# Altium PCB PCB_Motors.PcbDoc (continued)
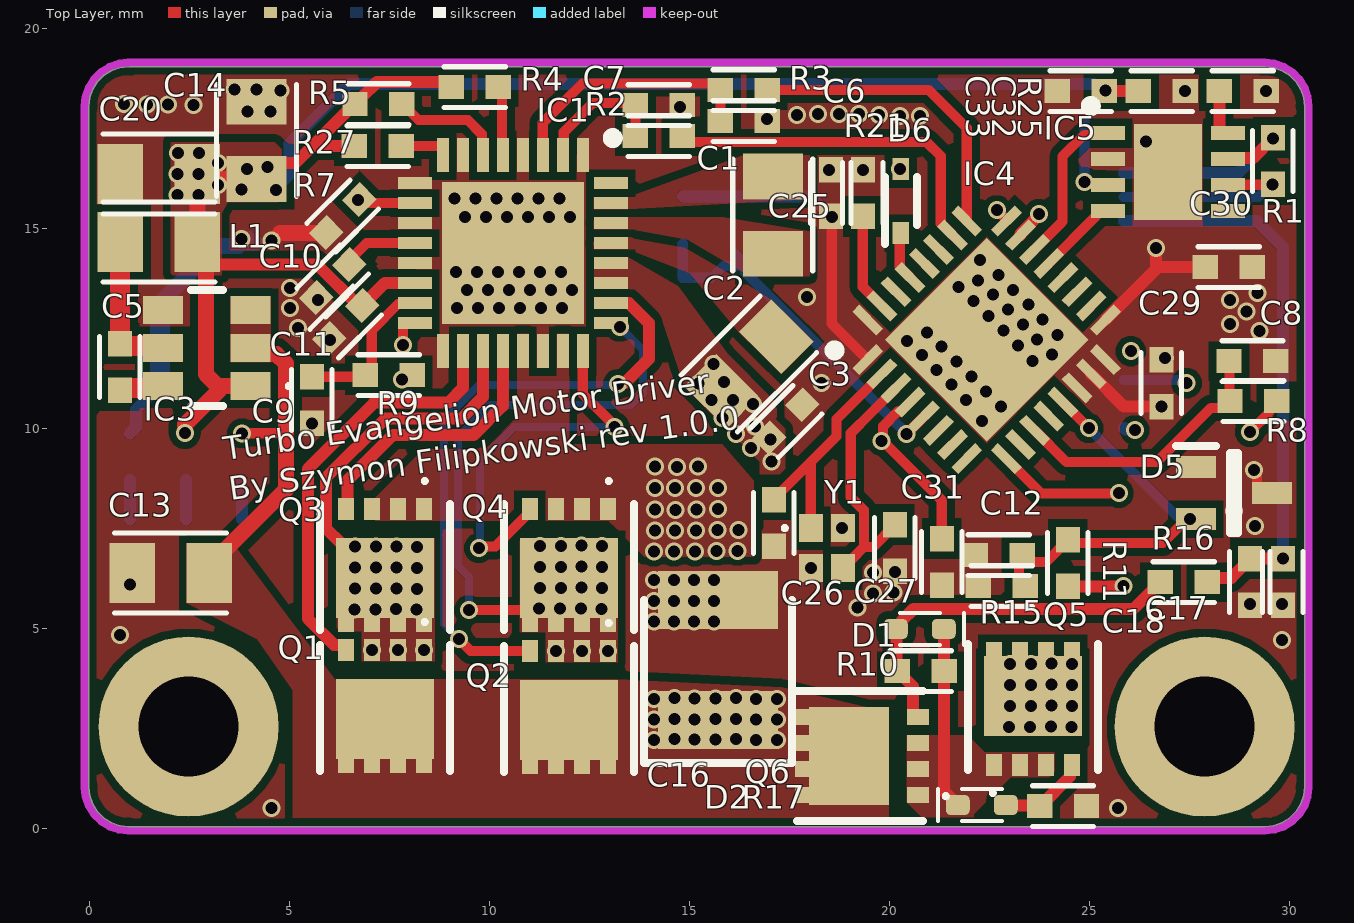
[diagram p0: Top Layer view]
## Nets (pads, with @x,y where several pads share a name; then routed paths per layer and width w, separated by ;. In a path a pad name is that pad's centre, name@x,y a point inside that pad or via, vN(x,y) a via of type N, cw(c..) or ccw(c..) an arc to the next point about the centre after c; other vN are vias at no path point) (continued)
5v: C11.1 C14.1 C20.1 C32.1 C33.1 IC1.14 IC2.2 IC2.4 IC3.1 IC5.3 L1.1 R4.1 R5.1 R13.2 R27.1 | length 49.9
  Top Layer w0.254: v1(24.867,16.155) 24.905,16.118 25.407,16.118 IC5.3
  Top Layer w0.3: L1.1@2.902,14.438 2.902,14.294 3.112,14.085 5.689,14.085 6.711,13.063 C11.1 7.375,13.625 IC1.14 ; C14.1 4.566,16.622 5.137,16.622 R5.1@6.464,17.95 ; 5.607,17.05 R27.1@6.598,17.05 ; R5.1@6.485,17.971 6.614,18.1 R5.1 6.649,18.1 6.799,18.25 6.799,18.267 7.182,18.65 8.916,18.65 R4.1 ; v1(25.389,18.434) 25.368,18.434 C33.1 C32.1 C32.1@26.241,18.425
  Top Layer w0.4: v1(2.375,9.875) 2.375,10.087 3.231,10.944 ; L1.1@2.902,14.294 2.902,11.35 3.202,11.05 IC3.1 ; L1.1@2.902,14.438 L1.1 C20.1 2.722,16.382 2.875,16.229 C14.1@3.678,16.229 ; v1(3.928,16.479) 3.78,16.331 3.78,15.976 v1(3.795,15.961) 3.904,15.961 C14.1
  Bottom Layer w0.254: v1(24.867,16.155) 24.867,17.933 25.368,18.434 v1(25.389,18.434)
  Bottom Layer w0.3: v1(3.795,15.961) 3.934,16.1 4.504,16.1 v1(4.653,15.951) 4.653,16.005 4.996,16.348 4.996,17.121 6.475,18.6 25.087,18.6 25.162,18.525
  other v1: 2.196,15.822 2.721,15.822 3.2,16.075 2.199,16.351 2.724,16.351 4.441,16.528 3.2,16.625 2.2,16.875 2.725,16.875
BATTERY_VBAT_IN: Q5.5_8 VBAT.1
  other v1: 22.984,2.531 23.511,2.531 24.541,2.528 24.029,2.541 23,3.05 23.527,3.05 24.045,3.059 24.557,3.047 23,3.575 23.527,3.575 24.557,3.572 24.045,3.584 23,4.1 23.527,4.1 24.045,4.109 24.557,4.097
"CAN RX": IC4.21 IC5.4 | length 2.1
  Top Layer w0.254: IC4.21 25.152,15.291 25.152,15.377 25.2,15.425 IC5.4
"CAN TX": IC4.22 IC5.1 | length 4
  Top Layer w0.254: IC4.22 24.315,15.161 24.315,16.788 24.855,17.327 25.402,17.327 IC5.1
CAN_N: IC5.6 J1.2 R1.2 | length 5
  Top Layer w0.254: IC5.6 28.458,16.083 v1(29.567,16.083) R1.2
  Bottom Layer w0.254: J1.2 29.22,15.775 29.528,16.083 v1(29.567,16.083)
CAN_P: IC5.7 J1.1 R1.1 | length 5.4
  Top Layer w0.3: IC5.7 28.475,16.75 29.083,16.75 v1(29.575,17.242) R1.1
  Bottom Layer w0.3: J1.1 28.708,16.375 v1(29.575,17.242)
"Current A": C8.1 IC4.11 R8.1 | length 6.9
  Top Layer w0.254: IC4.11 24.414,9.15 26.675,9.15 28.029,10.504 28.336,10.504 R8.1 28.494,10.688 28.494,11.663 C8.1
"Fet Temp A": C34.1 IC4.5 R24.1 R26.2 | length 9.5
  Top Layer w0.254: v1(20.422,9.854) IC4.5
  Bottom Layer w0.254: R24.1 C34.1 15.554,13.759 15.843,14.049 16.457,14.049 16.167,14.338 R26.2 ; R26.2@16.385,13.977 16.385,13.891 v1(20.422,9.854)
"GH1 A": IC1.18 Q1.4 | length 10.7
  Top Layer w0.3: Q1.4@6.4,4.453 6.4,4.525 6.35,4.575 6.108,4.575 5.45,5.233 5.45,8.975 7.11,10.635 8.96,10.635 9.325,11 IC1.18
"GH2 A": IC1.26 Q2.4 | length 15.3
  Top Layer w0.254: v1(9.225,4.725) 9.525,4.425 Q2.4
  Top Layer w0.3: IC1.26 13.475,13.125 13.975,12.625 13.975,11.725 13.763,11.513 13.376,11.126 13.229,11.126 v1(13.2,11.098)
  Bottom Layer w0.2: v1(9.225,4.725) 8.85,5.1 8.85,10.2 9.725,11.075 13.177,11.075 v1(13.2,11.098)
"GL1 A": IC1.20 Q3.4 | length 6.7
  Top Layer w0.3: Q3.4@6.4,7.993 6.443,8.036 6.443,8.693 7.575,9.825 9.594,9.825 10.325,10.556 IC1.20
"GL2 A": IC1.24 Q4.4 | length 9.9
  Top Layer w0.254: v1(9.725,7) 9.763,7.038 10.138,7.038 10.927,7.827 10.927,7.902 Q4.4 ; IC1.24 12.325,10.852 13.123,10.054 v1(13.123,10.027)
  Bottom Layer w0.2: v1(9.725,7) 9.75,7.025 9.75,9.171 10.606,10.027 v1(13.123,10.027)
Net3.3V_1: 3.3V.1 R14.1 | length 1
  Bottom Layer w0.3: 3.3V.1 R14.1
Net5V_1: 5V.1 R13.1 | length 1
  Bottom Layer w0.3: 5V.1 R13.1
NetC1_1: C1.1 IC1.31
NetC1_2: C1.2 IC1.30
NetC2_1: C2.1 IC1.29
NetC5_1: C5.1 IC3.6 | length 1.1
  Top Layer w0.5: C5.1 0.75,10.945 0.8,10.995 1.771,10.995 IC3.6
NetC5_2: C5.2 IC3.5 L1.2 | length 3.7
  Top Layer w0.5: L1.2 0.755,14.645 0.755,12.109 0.75,12.105 0.8,12.055 1.771,12.055 IC3.5
NetC6_1: C6.1 IC1.3 R3.2 | length 6.5
  Top Layer w0.254: IC1.3 11.325,17.631 12.305,18.611 15.605,18.611 R3.2 C6.1@15.766,17.65
NetC7_1: C7.1 IC1.2 R2.2 | length 3.6
  Top Layer w0.254: IC1.2 11.848,16.848 11.848,17.398 12.575,18.125 13.641,18.125 R2.2@13.641,17.225
NetC9_1: C9.1 IC1.15 R9.2 | length 3.9
  Top Layer w0.254: C9.1 R9.2@6.85,11.284 ; C9.1@5.625,11.468 C9.1@5.647,11.447 ; R9.2 7.05,11.484 7.05,12.446 7.706,13.102 8.102,13.102 IC1.15
NetC10_1: C10.1 IC1.12 | length 1.9
  Top Layer w0.254: C10.1@6.438,14.138 6.925,14.625 IC1.12
NetC26_1: C26.1 IC4.2 Y1.1 | length 5.6
  Top Layer w0.254: C26.1 17.1,8.227 18.025,9.152 ; Y1.1 18.025,9.152 ; IC4.2@19.594,11.144 18.669,10.219 18.669,9.796 18.025,9.152
NetC27_1: C27.1 IC4.3 Y1.3 | length 6.3
  Top Layer w0.254: Y1.3@18.875,6.6 18.998,6.723 19.048,6.723 19.352,7.027 ; C27.1 20.125,7.567 19.585,7.027 19.352,7.027 ; IC4.3 19.519,10.365 19.023,9.869 19.023,8.273 19.352,7.944 19.352,7.027
NetD1_1: D1.1 Q6.4 R10.1 R16.2 | length 9.6
  Top Layer w0.3: D1.1 20.17,4.955 20.17,3.945 R10.1 20.208,3.925 20.358,3.775 20.358,3.758 20.575,3.541 20.575,2.825 20.625,2.775 Q6.4 ; D1.1@20.2,4.975 20.3,5.075 20.3,5.183 20.592,5.475 22.776,5.475 22.778,5.473 26.089,5.473 26.598,5.983 26.598,6 26.748,6.15 R16.2
NetD2_1: D2.1 Q5.4 R17.2 | length 2.2
  Top Layer w0.3: D2.1 22.912,0.563 23.737,0.563 R17.2 23.768,0.55 24.5,1.282 24.5,1.525 Q5.4
NetD6_1: D6.1 IC4.29 | length 1.2
  Top Layer w0.254: D6.1@20.308,14.792 20.248,14.732 20.248,14.232 20.25,14.231 20.25,14.024 20.511,13.764 IC4.29
NetIC1_5: IC1.5 R4.2 | length 1.7
  Top Layer w0.254: R4.2 10.302,18.432 10.302,16.848 IC1.5
NetIC1_6: IC1.6 R5.2 | length 2.8
  Top Layer w0.254: R5.2 7.818,18.1 8.217,17.7 9.45,17.7 9.802,17.348 9.802,16.848 IC1.6
NetIC1_8: IC1.8 R27.2 | length 1.3
  Top Layer w0.254: R27.2 8.802,17.05 8.825,17.027 IC1.8
NetIC1_16: IC1.16 R8.2 | length 27
  Top Layer w0.254: v1(7.827,12.077) 7.827,12.602 7.85,12.625 IC1.16 ; v1(29,9.9) 29.485,10.385 29.485,10.502 29.657,10.675 R8.2
  MidPlane Top w0.254: v1(7.827,12.077) 8.204,11.7 14.05,11.7 14.65,12.3 15.882,12.3 21.232,6.95 25.089,6.95 26.766,8.627 27.802,8.627 28.927,9.752 28.927,9.787 29,9.86 v1(29,9.9)
NetIC1_21: IC1.21 IC1.23 Q3.1 Q3.2 Q3.3 Q4.1 Q4.2 Q4.3 R6.2
  other v1: 14.1,6.911 14.606,6.908 15.128,6.911 15.664,6.93 16.19,6.93 14.127,7.437 14.633,7.434 15.156,7.437 15.691,7.457 16.217,7.457 14.137,7.96 14.642,7.957 15.165,7.96 15.701,7.979 14.125,8.5 14.631,8.497 15.153,8.5 15.7,8.5 14.684,9.024 14.128,9.044 15.211,9.044
NetIC4_31: IC4.31 R21.2 | length 2.4
  Top Layer w0.254: R21.2 19.325,13.532 IC4.31
NetIC5_8: IC5.8 R25.2 | length 1.2
  Top Layer w0.3: R25.2 28.241,17.4 28.266,17.375 IC5.8
NetR12_1: R12.1 VCC.1 | length 1
  Bottom Layer w0.3: VCC.1 R12.1
"nFault A": D6.2 IC1.10 R7.1 | length 16.2
  Top Layer w0.254: R7.1@6.763,15.788 6.638,15.663 R7.1@6.583,15.663 ; IC1.10 6.621,15.625 R7.1@6.583,15.663 ; R7.1@6.583,15.663 6.558,15.663 6.57,15.675 R7.1@6.583,15.663
  MidPlane Top w0.254: v1(6.7,15.7) 8,17 19.725,17 v1(20.25,16.475)
"PWM A": IC4.26 R2.1 | length 8.8
  Top Layer w0.254: R2.1 14.961,17.148 20.927,17.148 21.275,16.8 21.275,15.121 21.571,14.824 IC4.26
"PWM B": IC4.25 R3.1 | length 7.7
  Top Layer w0.254: R3.1 20.975,18.45 21.925,17.5 IC4.25
PWR_ENABLE: C17.1 C18.1 J1.3 R16.1 | length 14.2
  Top Layer w0.3: R16.1 28.038,6.254 28.537,6.254 29,6.717 C18.1 v1(29.825,6.734)
  Bottom Layer w0.3: J1.3 29.175,15.175 29.825,14.525 v1(29.825,6.734)
RESET: C31.1 IC4.4 PROG.1 | length 12.9
  Top Layer w0.254: v1(19.798,9.675) v1@19.854,9.675 ; IC4.4@20.299,10.44 20.264,10.406 20.194,10.406 19.835,10.047 19.835,9.694 v1@19.854,9.675 ; C31.1 21.3,8.196 19.854,9.641 v1@19.854,9.675
  MidPlane Top w0.254: v1(19.798,9.675) 19.835,9.637 19.835,9.165 20.975,8.025 22.175,8.025 26.025,11.875 v1(26.025,11.925)
"SH1 A": IC1.19 MOTB.1 Q1.1 Q1.2 Q1.3 Q3.5_8 | length 9.9
  Top Layer w0.3: v1(6.628,7.035) 6.563,7.1 6.3,7.1 5.903,7.497 5.903,8.753 7.385,10.235 9.285,10.235 9.825,10.775 IC1.19 ; Q3.5_8@6.66,7.112 Q3.5_8@7.209,6.563 ; v1(7.155,6.51) Q3.5_8@7.53,6.51 ; Q3.5_8@7.199,6.501 7.425,6.275 7.429,6.275 v1(7.673,6.519)
  other v1: 7.05,4.45 7.7,4.45 8.35,4.45 6.612,5.466 7.139,5.466 7.657,5.475 8.169,5.463 6.628,5.985 7.155,5.985 8.185,5.982 7.673,5.994 6.628,6.51 8.185,6.507 8.185,7.032 7.155,7.035 7.673,7.044
"SH2 A": IC1.25 MOTA.1 Q2.1 Q2.2 Q2.3 Q4.5_8 | length 15.4
  Top Layer w0.254: v1(9.475,5.45) 11.2,5.45 v1(11.235,5.485) ; Q4.5_8@11.178,5.428 Q4.5_8@11.765,6.015 ; Q4.5_8@11.346,5.378 11.346,5.4 11.852,5.907 Q4.5_8@11.874,5.907 ; v1(11.778,6.003) 11.778,6.053 Q4.5_8@11.975,6.25
  Top Layer w0.3: IC1.25 13.157,12.625 v1(13.255,12.527)
  Bottom Layer w0.2: v1(9.475,5.45) 9.475,6.28 9.2,6.555 9.2,9.775 9.998,10.573 13.53,10.573 13.825,10.868 13.825,11.957 v1(13.255,12.527)
  other v1: 11.65,4.425 12.3,4.425 12.95,4.425 12.792,5.482 11.762,5.485 12.28,5.494 11.251,6.003 12.295,6.012 12.807,6 11.251,6.528 11.778,6.528 12.295,6.537 12.807,6.525 11.251,7.053 11.778,7.053 12.807,7.05 12.295,7.062
SWCLK: IC4.24 PROG.4 | length 11.5
  Top Layer w0.254: v1(22.675,15.45) 22.931,15.194 22.931,15.191 IC4.24
  MidPlane Top w0.254: v1(22.675,15.45) 23.131,15.906 23.956,15.906 26.263,13.6 26.65,13.6 27.971,12.279 27.971,10.892 26.804,9.725 26.35,9.725 v1(26.125,9.95)
  Bottom Layer w0.3: PROG.4 25.881,9.969 26.106,9.969 v1(26.125,9.95)
SWDIO: IC4.23 PROG.2 | length 8.4
  Top Layer w0.3: IC4.23 23.269,14.857 23.728,15.316 v1(23.728,15.354)
  MidPlane Top w0.254: v1(23.728,15.354) 25.918,13.164 26.456,13.164 26.765,12.855 26.765,12.835 27.431,12.169 27.431,11.133 v1(27.419,11.121)
  Bottom Layer w0.254: PROG.2 27.287,11.2 27.366,11.121 v1(27.419,11.121)
"V ref A": IC4.9 R9.1 | length 28.2
  Top Layer w0.254: v1(7.8,11.21) 7.944,11.21 R9.1 ; IC4.9@23.127,9.026 23.791,8.362 25.72,8.362 v1(25.729,8.371)
  MidPlane Bottom w0.254: v1(7.8,11.21) 7.762,11.247 7.497,11.247 6.779,11.965 6.779,13.922 7.309,14.452 19.664,14.452 25.729,8.387 v1(25.729,8.371)
Vcc: C2.2 C3.2 C13.2 C16.1 IC1.27 IC1.28 IC3.2 IC3.3 Q1.5_8 Q2.5_8 Q6.5_8 R11.2 R12.2 | length 24
  Top Layer w0.2: v1(14.1,3.225) C16.1@15.175,3.225 ; C16.1@14.612,3.225 C16.1@15.175,3.225 ; C16.1@14.65,2.7 14.7,2.75 C16.1@15.65,2.75 ; C16.1@15.12,2.75 C16.1@15.65,2.75 ; C16.1 C16.1@15.65,2.75 ; v1(15.814,10.248) 15.814,10.543 C2.2@16.013,10.742 ; C16.1@15.175,3.225 C16.1@15.65,2.75
  Top Layer w0.254: v1(3.8,9.868) 4.768,9.868 4.9,10
  Top Layer w0.3: R11.2 24.454,6.045 25.837,6.045 v1(25.841,6.048)
  Top Layer w0.4: C13.2 2.99,6.554 4.9,8.463 4.9,10 4.9,11.616 4.666,11.85 4.174,11.85 IC3.2
  MidPlane Bottom w0.3: v1(17.177,3.23) 18.656,4.709 24.502,4.709 v1(25.841,6.048)
  other v1: 14.1,2.2 16.662,2.205 17.177,2.205 14.612,2.221 15.12,2.208 15.64,2.216 16.152,2.221 14.1,2.707 16.662,2.713 17.177,2.713 14.612,2.728 15.12,2.715 15.64,2.723 16.152,2.728 14.612,3.246 15.12,3.233 15.64,3.241 16.152,3.246 16.662,3.23 17.044,9.158 16.525,9.5 17.018,9.715 16.15,9.85 16.627,10.035 16.579,10.605 15.537,10.696 16.08,10.706 15.224,11.111 15.851,11.155 15.588,11.596
Vin: D1.2 D2.2 Q5.1 Q5.2 Q5.3 Q6.1 Q6.2 Q6.3 R10.2 | length 4.6
  Top Layer w0.3: D1.2 21.355,4.97 21.355,3.93 R10.2 21.359,0.916 21.55,0.725 21.55,0.675 21.65,0.575 D2.2
"Voltage Meas": C12.1 D5.2 IC4.13 R11.1 R15.2 | length 9.9
  Top Layer w0.254: R15.2@23.234,6.05 23.234,6.593 23.292,6.65 23.908,6.65 24.45,7.192 R11.1 24.534,7.125 26.825,7.125 27.425,7.725 v1(27.5,7.725) D5.2 ; IC4.13 IC4.13 v1(24.975,10) v1(24.975,10)
  Bottom Layer w0.254: v1(24.975,10) 27.222,7.753 27.472,7.753 v1(27.5,7.725)
pads on no net: IC1.32 IC4.6 IC4.7 IC4.8 IC4.10 IC4.12 IC4.18 IC4.19 IC4.20 IC4.27 IC4.28 IC4.30 IC5.5 J1.5 J1.6 PROG.5 PROG.6

## Polygon pours and split planes (outlines as drawn)
3.3v on Top Layer "NONET_L-01_P-001" (solid, pour order 26): -1,-1 -1,20 32,20 32,-1
NetIC1_21 on Top Layer "NONET_L-01_P-001" (solid, pour order 4): 9.919,9.513 10.687,10.281 10.687,12.363 11.987,12.363 11.987,9.6 15.811,9.6 16.65,8.625 16.65,6.788 13.862,6.788 12.962,7.688 7.137,7.688 7.137,8.263 8.387,9.513
NetC1_2 on Top Layer "NONET_L-01_P-001" (solid, pour order 8): 13.444,15.273 15.85,15.275 18,14.925 18,13.8 16.5,13.8 14.952,14.702 13.45,14.975 12.6,14.975 12.593,15.267
Vcc on Top Layer "NONET_L-01_P-001" (solid, pour order 22): 14.86,11.046 16.75,9.156 16.75,8.85 17.35,8.85 17.382,8.882 17.382,9.982 17.133,10.23 17.175,10.272 17.175,10.626 15.796,12.005
Vin on Top Layer "NONET_L-01_P-001" (solid, pour order 23): 20.425,2.325 20.425,0.65 20.8,0.275 22.1,0.275 22.1,0.35 23.025,1.275 24.125,1.275 24.125,1.875 24.1,1.9 22.375,1.9 21.95,2.325
Vcc on Top Layer "NONET_L-01_P-001" (solid, pour order 0): 6.139,3.704 6.16,3.725 13.175,3.725 17.3,3.525 19.975,2.9 19.975,0.252 5.075,0.252 5.075,3.443 4.186,4.714 2.425,5.625 2.425,7.125 3.575,7.125
"SH1 A" on Top Layer "NONET_L-01_P-001" (solid, pour order 2): 8.625,7.25 8.625,4.175 6.175,4.175 6.175,7.25
5v on Top Layer "NONET_L-01_P-001" (solid, pour order 13): 4.825,15.675 4.8,15.7 4.8,16.975 4.625,17.15 2.025,17.15 2.025,13.875 2.075,13.825 3.3,13.825 3.3,15.375 3.45,15.65 3.475,15.65 4.8,15.65
Vcc on Top Layer "NONET_L-01_P-001" (solid, pour order 11): 12.609,14.269 13.452,14.278 14.709,13.55 16.729,10.793 15.912,9.985 14.86,11.046 14.318,12.658 13.439,13.475 12.609,13.483
NetC2_1 on Top Layer "NONET_L-01_P-001" (solid, pour order 10): 13.45,14.475 15,13.875 16.225,12.4 17.3,11.35 18.1,12.175 17.025,13.225 17.024,13.225 15.025,14.475 14.175,14.772 13.441,14.774 12.575,14.775 12.6,14.475
NetC1_1 on Top Layer "NONET_L-01_P-001" (solid, pour order 7): 12.6,15.775 13.45,15.775 16.5,16.875 18,16.875 18,15.725 13.45,15.475 12.6,15.475
"SH2 A" on Top Layer "NONET_L-01_P-001" (solid, pour order 3): 10.75,7.25 13.2,7.25 13.2,4.15 10.75,4.15
Vcc on Top Layer "NONET_L-01_P-001" (solid, pour order 1): 3.525,13.3 3.525,11.65 4.525,11.65 4.525,13.3
3.3v on Bottom Layer "NONET_L-01_P-001" (solid, pour order 29): -1,-1 -1,20 32,20 32,-1
NetIC1_21 on Bottom Layer "NONET_L-01_P-001" (solid, pour order 14): 13.861,6.646 13.8,6.646 17.555,6.652 17.555,8.126 17.561,8.132 16.568,8.132 15.1,9.6 13.8,9.6
Vcc on MidPlane Top "NONET_L-01_P-001" (solid, pour order 12): 13.8,1.9 18.6,1.9 18.6,8.511 17.092,10.019 17.092,10.808 16,11.9 15.7,11.9 13.8,10
3.3v on MidPlane Top "NONET_L-01_P-001" (solid, pour order 27): -1,-1 -1,20 31,20 31,-1
3.3v on MidPlane Bottom "NONET_L-01_P-001" (solid, pour order 28): -1,-1 -1,20 32,20 32,-1

## Keep-outs
Keep-Out Layer:
  lines w0.1: -0.077,1.028 cw(c-0.027,1.034) -0.077,1.034 ; -0.077,1.029 ccw(c-0.027,1.034) -0.077,1.028 ; -0.077,1.029 cw(c-0.027,1.034) -0.077,1.034 ; -0.077,1.029 -0.077,1.028 ; -0.077,1.028 -0.077,1.028 ; -0.077,1.028 -0.052,0.806 ; -0.077,1.034 -0.077,18.034 ; -0.077,18.034 cw(c-0.027,18.034) -0.077,18.039 ; -0.077,18.034 cw(c-0.027,18.034) -0.077,18.04 ; -0.077,18.039 cw(c-0.027,18.034) -0.077,18.04 ; -0.077,18.039 -0.077,18.04 ; -0.077,18.04 -0.052,18.262 ; -0.077,18.04 -0.077,18.04 ; -0.052,0.806 ccw(c-0.002,0.811) -0.049,0.795 ; -0.052,0.806 ccw(c-0.002,0.811) -0.049,0.795 ; -0.052,0.806 ccw(c-0.002,0.811) -0.052,0.806 ; -0.052,0.806 -0.052,0.806 ; -0.052,0.806 -0.052,0.806 ; -0.052,18.262 cw(c-0.002,18.257) -0.049,18.273 ; -0.052,18.262 ccw(c-0.002,18.257) -0.052,18.262 ; -0.052,18.262 cw(c-0.002,18.257) -0.049,18.273 ; -0.052,18.262 -0.052,18.262 ; -0.052,18.262 -0.052,18.262 ; -0.049,0.795 0.025,0.584 ; -0.049,18.273 0.025,18.484 ; 0.025,0.584 ccw(c0.072,0.6) 0.03,0.573 ; 0.025,0.584 ccw(c0.072,0.6) 0.03,0.574 ; 0.025,18.484 cw(c0.072,18.468) 0.03,18.495 ; 0.025,18.484 cw(c0.072,18.468) 0.03,18.494 ; 0.03,0.574 0.03,0.573 ; 0.03,0.573 0.149,0.384 ; 0.03,18.495 0.149,18.684 ; 0.03,18.494 0.03,18.495 ; 0.149,0.384 ccw(c0.191,0.411) 0.156,0.375 0.156,0.375 ; 0.149,0.384 ccw(c0.191,0.411) 0.156,0.375 ; 0.149,0.384 0.149,0.384 ; 0.149,18.684 cw(c0.191,18.657) 0.156,18.693 ; 0.149,18.684 cw(c0.191,18.657) 0.156,18.693 ; 0.149,18.684 0.149,18.684 ; 0.156,0.375 0.314,0.217 ; 0.156,18.693 0.314,18.851 ; 0.156,18.693 0.156,18.693 ; 0.314,0.217 ccw(c0.35,0.252) 0.323,0.21 ; 0.314,0.217 0.314,0.217 ccw(c0.35,0.252) 0.323,0.21 ; 0.314,18.851 cw(c0.35,18.816) 0.323,18.858 ; 0.314,18.851 0.314,18.851 cw(c0.35,18.816) 0.323,18.858 ; 0.323,0.21 0.512,0.091 ; 0.323,0.21 0.323,0.21 ; 0.323,18.858 0.512,18.977 ; 0.323,18.858 0.323,18.858 ; 0.513,0.091 ccw(c0.539,0.133) 0.523,0.086 ; 0.512,0.091 ccw(c0.539,0.133) 0.523,0.086 ; 0.512,0.091 0.513,0.091 ; 0.513,18.977 cw(c0.539,18.935) 0.523,18.982 ; 0.512,18.977 cw(c0.539,18.935) 0.523,18.982 ; 0.512,18.977 0.513,18.977 ; 0.523,0.086 0.734,0.012 ; 0.523,18.982 0.734,19.056 ; 0.734,0.012 ccw(c0.75,0.059) 0.745,0.009 ; 0.734,0.012 ccw(c0.75,0.059) 0.745,0.009 ; 0.734,19.056 cw(c0.75,19.009) 0.745,19.059 ; 0.734,19.056 cw(c0.75,19.009) 0.745,19.059 ; 0.745,0.009 ccw(c0.75,0.059) 0.745,0.009 ; 0.745,0.009 0.967,-0.016 ; 0.745,0.009 0.745,0.009 ; 0.745,0.009 0.745,0.009 ; 0.745,19.059 ccw(c0.75,19.009) 0.745,19.059 ; 0.745,19.059 0.967,19.084 ; 0.745,19.059 0.745,19.059 ; 0.745,19.059 0.745,19.059 ; 0.967,-0.016 ccw(c0.973,0.034) 0.973,-0.016 ; 0.968,-0.016 ccw(c0.973,0.034) 0.973,-0.016 ; 0.967,-0.016 ccw(c0.973,0.034) 0.968,-0.016 ; 0.967,-0.016 0.968,-0.016 ; 0.967,-0.016 0.967,-0.016 ; 0.967,19.084 cw(c0.973,19.034) 0.973,19.084 ; 0.968,19.084 ccw(c0.973,19.034) 0.967,19.084 ; 0.968,19.084 cw(c0.973,19.034) 0.973,19.084 ; 0.967,19.084 0.968,19.084 ; 0.967,19.084 0.967,19.084 ; 0.973,-0.016 29.373,-0.016 ; 0.973,19.084 29.373,19.084 ; 29.373,-0.016 ccw(c29.373,0.034) 29.378,-0.016 ; 29.373,-0.016 ccw(c29.373,0.034) 29.379,-0.016 ; 29.373,19.084 cw(c29.373,19.034) 29.378,19.084 ; 29.373,19.084 cw(c29.373,19.034) 29.379,19.084 ; 29.378,-0.016 ccw(c29.373,0.034) 29.379,-0.016 ; 29.379,-0.016 29.601,0.009 ; 29.379,-0.016 29.379,-0.016 ; 29.378,-0.016 29.379,-0.016 ; 29.379,19.084 ccw(c29.373,19.034) 29.378,19.084 ; 29.379,19.084 29.601,19.059 ; 29.379,19.084 29.379,19.084 ; 29.378,19.084 29.379,19.084 ; 29.601,0.009 ccw(c29.596,0.059) 29.612,0.012 ; 29.601,0.009 ccw(c29.596,0.059) 29.612,0.012 ; 29.601,0.009 ccw(c29.596,0.059) 29.601,0.009 ; 29.601,0.009 29.601,0.009 ; 29.601,0.009 29.601,0.009 ; 29.601,19.059 cw(c29.596,19.009) 29.612,19.056 ; 29.601,19.059 ccw(c29.596,19.009) 29.601,19.059 ; 29.601,19.059 cw(c29.596,19.009) 29.612,19.056 ; 29.601,19.059 29.601,19.059 ; 29.601,19.059 29.601,19.059 ; 29.612,0.012 29.823,0.086 ; 29.612,19.056 29.823,18.982 ; 29.823,0.086 ccw(c29.807,0.133) 29.834,0.091 ; 29.823,0.086 ccw(c29.807,0.133) 29.833,0.091 ; 29.823,18.982 cw(c29.807,18.935) 29.833,18.977 ; 29.823,18.982 cw(c29.807,18.935) 29.834,18.977 ; 29.834,0.091 30.023,0.21 ; 29.833,0.091 29.834,0.091 ; 29.834,18.977 30.023,18.858 ; 29.833,18.977 29.834,18.977 ; 30.023,0.21 ccw(c29.996,0.252) 30.032,0.217 30.032,0.217 ; 30.023,0.21 30.023,0.21 ccw(c29.996,0.252) 30.032,0.217 ; 30.023,18.858 cw(c29.996,18.816) 30.032,18.851 30.032,18.851 ; 30.023,18.858 30.023,18.858 cw(c29.996,18.816) 30.032,18.851 ; 30.032,0.217 30.19,0.375 ; 30.032,18.851 30.19,18.693 ; 30.19,0.375 ccw(c30.155,0.411) 30.197,0.384 ; 30.19,0.375 30.19,0.375 ccw(c30.155,0.411) 30.197,0.384 ; 30.19,18.693 cw(c30.155,18.657) 30.197,18.684 ; 30.19,18.693 cw(c30.155,18.657) 30.197,18.684 ; 30.19,18.693 30.19,18.693 ; 30.197,0.384 30.316,0.573 ; 30.197,0.384 30.197,0.384 ; 30.197,18.684 30.197,18.684 ; 30.197,18.684 30.316,18.495 ; 30.316,0.574 ccw(c30.274,0.6) 30.321,0.584 ; 30.316,0.573 ccw(c30.274,0.6) 30.321,0.584 ; 30.316,0.573 30.316,0.574 ; 30.316,18.494 cw(c30.274,18.468) 30.321,18.484 ; 30.316,18.495 cw(c30.274,18.468) 30.321,18.484 ; 30.316,18.495 30.316,18.494 ; 30.321,0.584 30.395,0.795 ; 30.321,18.484 30.395,18.273 ; 30.395,0.795 ccw(c30.348,0.811) 30.398,0.806 ; 30.395,0.795 ccw(c30.348,0.811) 30.398,0.806 ; 30.395,18.273 cw(c30.348,18.257) 30.398,18.262 ; 30.395,18.273 cw(c30.348,18.257) 30.398,18.262 ; 30.398,0.806 ccw(c30.348,0.811) 30.398,0.806 ; 30.398,0.806 30.423,1.028 ; 30.398,0.806 30.398,0.806 ; 30.398,0.806 30.398,0.806 ; 30.398,18.262 ccw(c30.348,18.257) 30.398,18.262 ; 30.398,18.262 30.398,18.262 ; 30.398,18.262 30.398,18.262 ; 30.398,18.262 30.423,18.04 ; 30.423,1.028 ccw(c30.373,1.034) 30.423,1.034 ; 30.423,1.029 ccw(c30.373,1.034) 30.423,1.034 ; 30.423,1.028 ccw(c30.373,1.034) 30.423,1.029 ; 30.423,1.028 30.423,1.029 ; 30.423,1.028 30.423,1.028 ; 30.423,1.034 30.423,18.034 ; 30.423,18.034 ccw(c30.373,18.034) 30.423,18.04 ; 30.423,18.034 ccw(c30.373,18.034) 30.423,18.039 ; 30.423,18.039 ccw(c30.373,18.034) 30.423,18.04 ; 30.423,18.039 30.423,18.04 ; 30.423,18.04 30.423,18.04
  lines w0.2: -0.127,1.034 ccw(c-0.027,1.034) -0.126,1.023 -0.126,1.022 ; -0.127,1.034 ccw(c-0.027,1.034) -0.126,1.022 ; -0.127,1.034 -0.127,18.034 ; -0.127,18.034 cw(c-0.027,18.034) -0.126,18.046 ; -0.127,18.034 cw(c-0.027,18.034) -0.126,18.045 ; -0.126,1.022 -0.101,0.801 ; -0.126,18.046 -0.101,18.267 ; -0.126,18.045 -0.126,18.046 ; -0.101,0.801 ccw(c-0.002,0.811) -0.096,0.778 ; -0.101,0.801 -0.101,0.8 ccw(c-0.002,0.811) -0.096,0.778 ; -0.101,18.268 cw(c-0.002,18.257) -0.096,18.29 ; -0.101,18.267 cw(c-0.002,18.257) -0.096,18.29 -0.096,18.29 ; -0.101,18.267 -0.101,18.268 ; -0.096,0.778 -0.096,0.778 ; -0.096,0.778 -0.022,0.567 ; -0.096,18.29 -0.022,18.501 ; -0.022,0.567 ccw(c0.072,0.6) -0.012,0.547 ; -0.022,0.567 ccw(c0.072,0.6) -0.013,0.547 ; -0.022,0.567 -0.022,0.567 ; -0.022,18.501 cw(c0.072,18.468) -0.012,18.521 ; -0.022,18.501 cw(c0.072,18.468) -0.013,18.521 ; -0.022,18.501 -0.022,18.501 ; -0.013,0.547 -0.012,0.547 ; -0.012,0.547 0.106,0.358 ; -0.012,18.521 0.106,18.71 ; -0.013,18.521 -0.012,18.521 ; 0.106,0.357 ccw(c0.191,0.411) 0.12,0.34 ; 0.106,0.358 ccw(c0.191,0.411) 0.12,0.34 ; 0.106,0.358 0.106,0.357 ; 0.106,18.711 cw(c0.191,18.657) 0.12,18.728 ; 0.106,18.71 cw(c0.191,18.657) 0.12,18.728 ; 0.106,18.71 0.106,18.711 ; 0.12,0.34 0.279,0.181 ; 0.12,18.728 0.279,18.887 ; 0.279,0.181 ccw(c0.35,0.252) 0.296,0.167 ; 0.279,0.181 ccw(c0.35,0.252) 0.297,0.167 ; 0.279,18.887 cw(c0.35,18.816) 0.297,18.901 ; 0.279,18.887 cw(c0.35,18.816) 0.296,18.901 ; 0.297,0.167 0.486,0.049 ; 0.296,0.167 0.297,0.167 ; 0.297,18.901 0.486,19.019 ; 0.296,18.901 0.297,18.901 ; 0.486,0.049 ccw(c0.539,0.133) 0.506,0.039 ; 0.486,0.048 ccw(c0.539,0.133) 0.506,0.039 ; 0.486,0.049 0.486,0.048 ; 0.486,19.02 cw(c0.539,18.935) 0.506,19.029 ; 0.486,19.019 cw(c0.539,18.935) 0.506,19.029 ; 0.486,19.019 0.486,19.02 ; 0.506,0.039 0.717,-0.035 ; 0.506,19.029 0.717,19.103 ; 0.717,-0.035 ccw(c0.75,0.059) 0.739,-0.04 ; 0.717,-0.035 ccw(c0.75,0.059) 0.739,-0.04 ; 0.717,19.103 cw(c0.75,19.009) 0.739,19.108 ; 0.717,19.103 cw(c0.75,19.009) 0.739,19.108 ; 0.739,-0.04 0.962,-0.065 ; 0.739,19.108 0.962,19.133 ; 0.962,-0.065 ccw(c0.973,0.034) 0.973,-0.066 ; 0.962,-0.065 ccw(c0.973,0.034) 0.973,-0.066 ; 0.962,19.133 cw(c0.973,19.034) 0.973,19.134 ; 0.962,19.133 cw(c0.973,19.034) 0.973,19.134 ; 0.973,-0.066 29.373,-0.066 ; 0.973,19.134 29.373,19.134 ; 29.373,-0.066 ccw(c29.373,0.034) 29.384,-0.065 ; 29.373,-0.066 ccw(c29.373,0.034) 29.384,-0.065 ; 29.373,19.134 cw(c29.373,19.034) 29.384,19.133 ; 29.373,19.134 cw(c29.373,19.034) 29.384,19.133 ; 29.384,-0.065 29.607,-0.04 ; 29.384,19.133 29.607,19.108 ; 29.607,-0.04 ccw(c29.596,0.059) 29.629,-0.035 ; 29.607,-0.04 ccw(c29.596,0.059) 29.629,-0.035 ; 29.607,19.108 cw(c29.596,19.009) 29.629,19.103 ; 29.607,19.108 cw(c29.596,19.009) 29.629,19.103 ; 29.629,-0.035 29.84,0.039 ; 29.629,19.103 29.84,19.029 ; 29.84,0.039 ccw(c29.807,0.133) 29.86,0.048 ; 29.84,0.039 ccw(c29.807,0.133) 29.86,0.049 ; 29.84,19.029 cw(c29.807,18.935) 29.86,19.019 ; 29.84,19.029 cw(c29.807,18.935) 29.86,19.02 ; 29.86,0.049 30.049,0.167 ; 29.86,0.048 29.86,0.049 ; 29.86,19.019 30.049,18.901 ; 29.86,19.02 29.86,19.019 ; 30.05,0.167 ccw(c29.996,0.252) 30.067,0.181 ; 30.049,0.167 ccw(c29.996,0.252) 30.067,0.181 ; 30.049,0.167 30.05,0.167 ; 30.05,18.901 cw(c29.996,18.816) 30.067,18.887 ; 30.049,18.901 cw(c29.996,18.816) 30.067,18.887 ; 30.049,18.901 30.05,18.901 ; 30.067,0.181 30.226,0.34 ; 30.067,18.887 30.226,18.728 ; 30.226,0.34 ccw(c30.155,0.411) 30.24,0.358 ; 30.226,0.34 ccw(c30.155,0.411) 30.24,0.357 ; 30.226,18.728 cw(c30.155,18.657) 30.24,18.71 ; 30.226,18.728 cw(c30.155,18.657) 30.24,18.711 ; 30.24,0.358 30.358,0.547 ; 30.24,0.357 30.24,0.358 ; 30.24,18.711 30.24,18.71 ; 30.24,18.71 30.358,18.521 ; 30.359,0.547 ccw(c30.274,0.6) 30.368,0.567 ; 30.358,0.547 ccw(c30.274,0.6) 30.368,0.567 ; 30.358,0.547 30.359,0.547 ; 30.359,18.521 cw(c30.274,18.468) 30.368,18.501 ; 30.358,18.521 cw(c30.274,18.468) 30.368,18.501 ; 30.358,18.521 30.359,18.521 ; 30.368,0.567 30.442,0.778 ; 30.368,0.567 30.368,0.567 ; 30.368,18.501 30.368,18.501 ; 30.368,18.501 30.442,18.29 ; 30.442,0.778 ccw(c30.348,0.811) 30.447,0.801 ; 30.442,0.778 ccw(c30.348,0.811) 30.447,0.8 30.447,0.801 ; 30.442,0.778 30.442,0.778 ; 30.442,18.29 cw(c30.348,18.257) 30.447,18.268 ; 30.442,18.29 30.442,18.29 cw(c30.348,18.257) 30.447,18.267 ; 30.447,0.801 30.472,1.022 ; 30.447,18.268 30.447,18.267 ; 30.447,18.267 30.472,18.046 ; 30.472,1.022 ccw(c30.373,1.034) 30.473,1.034 ; 30.472,1.022 30.472,1.023 ccw(c30.373,1.034) 30.473,1.034 ; 30.472,18.045 cw(c30.373,18.034) 30.473,18.034 ; 30.472,18.046 cw(c30.373,18.034) 30.473,18.034 ; 30.472,18.046 30.472,18.045 ; 30.473,1.034 30.473,18.034

## Silkscreen, mask and mechanical layers (free items; w line width, h text height)
Top Overlay:
  text "Turbo Evangelion Motor Driver / By Szymon Filipkowski rev 1.0.0" at 3.55,8 h1 r8
Bottom Overlay:
  drawing of 7 lines, arcs and shapes, not listed
  text "CAN P" at 25.3,16.159 h1
  text "HackClub: FORGE" at 13.9,16 h0.7
  text "CAN N" at 25.3,15.459 h1
  text "PWR EN" at 25.249,14.825 h1
  text "GND" at 25.275,14.209 h1
  text "Szymon  / Filipkowski" at 8.8,13.5 h0.8
  text "ROBOILO" at 13.45,11.903 h1
  text "TURBO  / EVANGELION" at 15.15,9.725 h1.4
  text "NRST" at 27.549,7.409 h1
  text "SWDIO" at 28.099,6.759 h1
  text "GND" at 27.25,6.109 h1
  text "SWCLK" at 28.099,5.459 h1
Mechanical 1:
  lines w0.2: -0.127,1.034 ccw(c-0.027,1.034) -0.126,1.023 -0.126,1.022 ; -0.127,1.034 ccw(c-0.027,1.034) -0.126,1.022 ; -0.127,1.034 -0.127,18.034 ; -0.127,18.034 cw(c-0.027,18.034) -0.126,18.046 ; -0.127,18.034 cw(c-0.027,18.034) -0.126,18.045 ; -0.126,1.022 -0.101,0.801 ; -0.126,18.046 -0.101,18.267 ; -0.126,18.045 -0.126,18.046 ; -0.101,0.801 ccw(c-0.002,0.811) -0.096,0.778 ; -0.101,0.801 -0.101,0.8 ccw(c-0.002,0.811) -0.096,0.778 ; -0.101,18.268 cw(c-0.002,18.257) -0.096,18.29 ; -0.101,18.267 cw(c-0.002,18.257) -0.096,18.29 -0.096,18.29 ; -0.101,18.267 -0.101,18.268 ; -0.096,0.778 -0.096,0.778 ; -0.096,0.778 -0.022,0.567 ; -0.096,18.29 -0.022,18.501 ; -0.022,0.567 ccw(c0.072,0.6) -0.012,0.547 ; -0.022,0.567 ccw(c0.072,0.6) -0.013,0.547 ; -0.022,0.567 -0.022,0.567 ; -0.022,18.501 cw(c0.072,18.468) -0.012,18.521 ; -0.022,18.501 cw(c0.072,18.468) -0.013,18.521 ; -0.022,18.501 -0.022,18.501 ; -0.013,0.547 -0.012,0.547 ; -0.012,0.547 0.106,0.358 ; -0.012,18.521 0.106,18.71 ; -0.013,18.521 -0.012,18.521 ; 0.106,0.357 ccw(c0.191,0.411) 0.12,0.34 ; 0.106,0.358 ccw(c0.191,0.411) 0.12,0.34 ; 0.106,0.358 0.106,0.357 ; 0.106,18.711 cw(c0.191,18.657) 0.12,18.728 ; 0.106,18.71 cw(c0.191,18.657) 0.12,18.728 ; 0.106,18.71 0.106,18.711 ; 0.12,0.34 0.279,0.181 ; 0.12,18.728 0.279,18.887 ; 0.279,0.181 ccw(c0.35,0.252) 0.296,0.167 ; 0.279,0.181 ccw(c0.35,0.252) 0.297,0.167 ; 0.279,18.887 cw(c0.35,18.816) 0.297,18.901 ; 0.279,18.887 cw(c0.35,18.816) 0.296,18.901 ; 0.297,0.167 0.486,0.049 ; 0.296,0.167 0.297,0.167 ; 0.297,18.901 0.486,19.019 ; 0.296,18.901 0.297,18.901 ; 0.486,0.049 ccw(c0.539,0.133) 0.506,0.039 ; 0.486,0.048 ccw(c0.539,0.133) 0.506,0.039 ; 0.486,0.049 0.486,0.048 ; 0.486,19.02 cw(c0.539,18.935) 0.506,19.029 ; 0.486,19.019 cw(c0.539,18.935) 0.506,19.029 ; 0.486,19.019 0.486,19.02 ; 0.506,0.039 0.717,-0.035 ; 0.506,19.029 0.717,19.103 ; 0.717,-0.035 ccw(c0.75,0.059) 0.739,-0.04 ; 0.717,-0.035 ccw(c0.75,0.059) 0.739,-0.04 ; 0.717,19.103 cw(c0.75,19.009) 0.739,19.108 ; 0.717,19.103 cw(c0.75,19.009) 0.739,19.108 ; 0.739,-0.04 0.962,-0.065 ; 0.739,19.108 0.962,19.133 ; 0.962,-0.065 ccw(c0.973,0.034) 0.973,-0.066 ; 0.962,-0.065 ccw(c0.973,0.034) 0.973,-0.066 ; 0.962,19.133 cw(c0.973,19.034) 0.973,19.134 ; 0.962,19.133 cw(c0.973,19.034) 0.973,19.134 ; 0.973,-0.066 29.373,-0.066 ; 0.973,19.134 29.373,19.134 ; 29.373,-0.066 ccw(c29.373,0.034) 29.384,-0.065 ; 29.373,-0.066 ccw(c29.373,0.034) 29.384,-0.065 ; 29.373,19.134 cw(c29.373,19.034) 29.384,19.133 ; 29.373,19.134 cw(c29.373,19.034) 29.384,19.133 ; 29.384,-0.065 29.607,-0.04 ; 29.384,19.133 29.607,19.108 ; 29.607,-0.04 ccw(c29.596,0.059) 29.629,-0.035 ; 29.607,-0.04 ccw(c29.596,0.059) 29.629,-0.035 ; 29.607,19.108 cw(c29.596,19.009) 29.629,19.103 ; 29.607,19.108 cw(c29.596,19.009) 29.629,19.103 ; 29.629,-0.035 29.84,0.039 ; 29.629,19.103 29.84,19.029 ; 29.84,0.039 ccw(c29.807,0.133) 29.86,0.048 ; 29.84,0.039 ccw(c29.807,0.133) 29.86,0.049 ; 29.84,19.029 cw(c29.807,18.935) 29.86,19.019 ; 29.84,19.029 cw(c29.807,18.935) 29.86,19.02 ; 29.86,0.049 30.049,0.167 ; 29.86,0.048 29.86,0.049 ; 29.86,19.019 30.049,18.901 ; 29.86,19.02 29.86,19.019 ; 30.05,0.167 ccw(c29.996,0.252) 30.067,0.181 ; 30.049,0.167 ccw(c29.996,0.252) 30.067,0.181 ; 30.049,0.167 30.05,0.167 ; 30.05,18.901 cw(c29.996,18.816) 30.067,18.887 ; 30.049,18.901 cw(c29.996,18.816) 30.067,18.887 ; 30.049,18.901 30.05,18.901 ; 30.067,0.181 30.226,0.34 ; 30.067,18.887 30.226,18.728 ; 30.226,0.34 ccw(c30.155,0.411) 30.24,0.358 ; 30.226,0.34 ccw(c30.155,0.411) 30.24,0.357 ; 30.226,18.728 cw(c30.155,18.657) 30.24,18.71 ; 30.226,18.728 cw(c30.155,18.657) 30.24,18.711 ; 30.24,0.358 30.358,0.547 ; 30.24,0.357 30.24,0.358 ; 30.24,18.711 30.24,18.71 ; 30.24,18.71 30.358,18.521 ; 30.359,0.547 ccw(c30.274,0.6) 30.368,0.567 ; 30.358,0.547 ccw(c30.274,0.6) 30.368,0.567 ; 30.358,0.547 30.359,0.547 ; 30.359,18.521 cw(c30.274,18.468) 30.368,18.501 ; 30.358,18.521 cw(c30.274,18.468) 30.368,18.501 ; 30.358,18.521 30.359,18.521 ; 30.368,0.567 30.442,0.778 ; 30.368,0.567 30.368,0.567 ; 30.368,18.501 30.368,18.501 ; 30.368,18.501 30.442,18.29 ; 30.442,0.778 ccw(c30.348,0.811) 30.447,0.801 ; 30.442,0.778 ccw(c30.348,0.811) 30.447,0.8 30.447,0.801 ; 30.442,0.778 30.442,0.778 ; 30.442,18.29 cw(c30.348,18.257) 30.447,18.268 ; 30.442,18.29 30.442,18.29 cw(c30.348,18.257) 30.447,18.267 ; 30.447,0.801 30.472,1.022 ; 30.447,18.268 30.447,18.267 ; 30.447,18.267 30.472,18.046 ; 30.472,1.022 ccw(c30.373,1.034) 30.473,1.034 ; 30.472,1.022 30.472,1.023 ccw(c30.373,1.034) 30.473,1.034 ; 30.472,18.045 cw(c30.373,18.034) 30.473,18.034 ; 30.472,18.046 cw(c30.373,18.034) 30.473,18.034 ; 30.472,18.046 30.472,18.045 ; 30.473,1.034 30.473,18.034